# KiCad board chicker.kicad_pcb (continued)
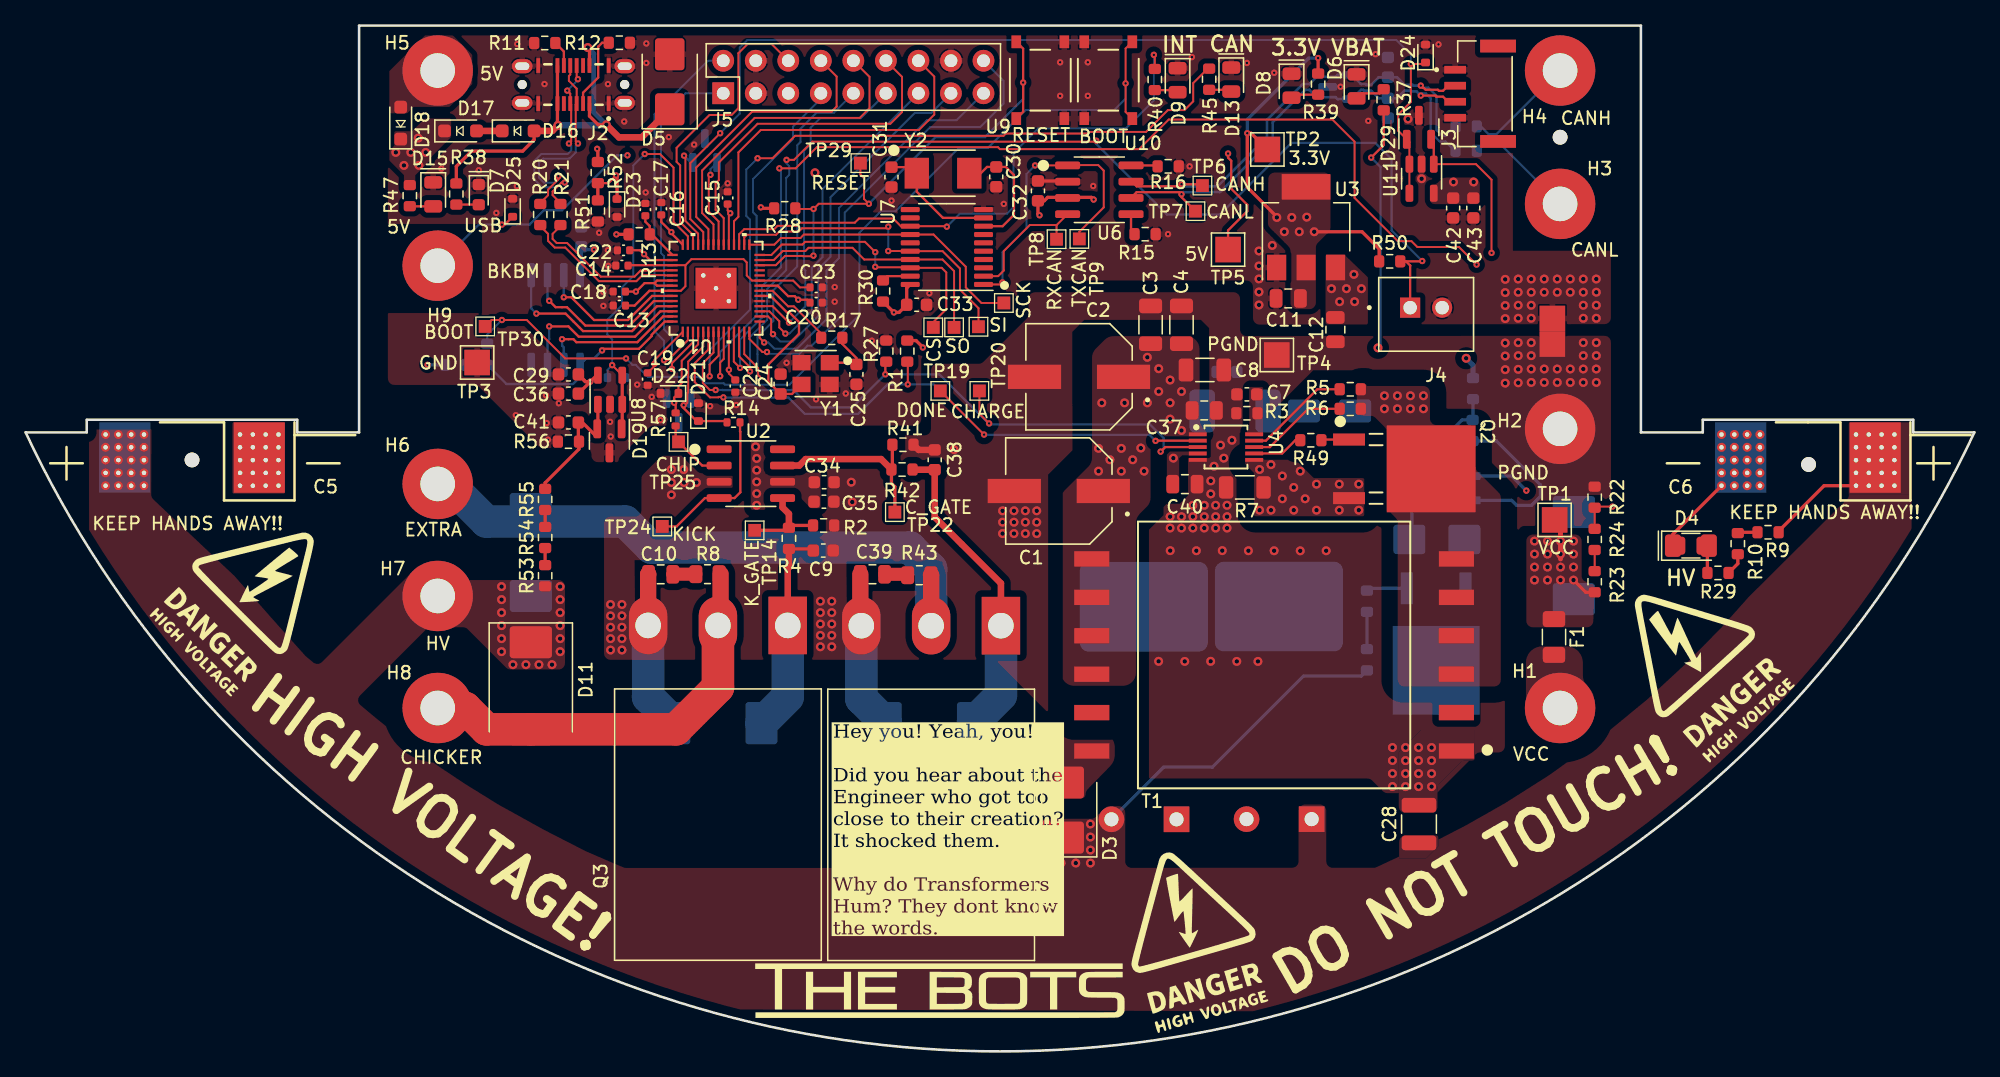
[diagram p0: board, top side]
## Library data of the parts (continued)
R37 = -: JLC: 0603; JLC Extended: no; LCSC: C25819; MPN: 0603WAF4702T5E; Manufacturer: UNI-ROYAL(Uniroyal Elec); Price: 0.001; ki_fp_filters: R_*
R38 = -: JLC: 0603; LCSC: C23253; MPN: 0603WAF8200T5E; Manufacturer: UNI-ROYAL(Uniroyal Elec); Price: 0.0009; ki_fp_filters: R_*
R40 R45 = -: JLC: 0603; JLC Extended: no; LCSC: C23193; MPN: 0603WAF5100T5E; Manufacturer: UNI-ROYAL(Uniroyal Elec); Price: 0.0009; ki_fp_filters: R_*
R44 R48 = -: MPN: PWR220T-35-2001J; Manufacturer: Bourns; Price: 4.067; ki_fp_filters: R_*
R46 = -: JLC: 2512; MPN: 3522820RJT; Manufacturer: TE; Price: 0.83; ki_fp_filters: R_*
R47 = -: JLC: 0603; JLC Extended: no; LCSC: C22975; MPN: 0603WAF2001T5E; Manufacturer: UNI-ROYAL(Uniroyal Elec); Price: 0.0009; ki_fp_filters: R_*
R51 = -: JLC: 0603; JLC Extended: no; LCSC: C23196; MPN: 0603WAF5102T5E; Manufacturer: UNI-ROYAL(Uniroyal Elec); Price: 0.0009; ki_fp_filters: R_*
R52 = -: JLC: 0603; JLC Extended: no; LCSC: C22984; MPN: 0603WAF3002T5E; Manufacturer: UNI-ROYAL(Uniroyal Elec); Price: 0.0009; ki_fp_filters: R_*
R53-R55 = -: JLC: 0603; JLC Extended: no; LCSC: C23137; MPN: 0603WAF3303T5E; Manufacturer: UNI-ROYAL(Uniroyal Elec); Price: 0.0009; ki_fp_filters: R_*
R56 = -: JLC: 0603; JLC Extended: no; LCSC: C22797; MPN: 0603WAF1302T5E; Manufacturer: UNI-ROYAL(Uniroyal Elec); Price: 0.0008; ki_fp_filters: R_*
T1 = -: MPN: DA2034-ALD; Manufacturer: Coilcraft; Price: 13.35
TP1-TP14 TP19 TP20 TP22 TP24 TP25 TP29 TP30 = -: ki_fp_filters: Pin* Test*
U1 = -: JLC: LQFN-56(7x7); JLC Extended: yes; LCSC: C2040; MPN: RP2040; Manufacturer: Raspberry Pi; Price: 0.9997; ki_fp_filters: QFN56_7X7_RPI QFN56_7X7_RPI-M QFN56_7X7_RPI-L
U2 = -: JLC: SOIC-8; LCSC: C20611883; MPN: RS8802HXK; Manufacturer: Jiangsu RUNIC Tech; Price: 0.36; JLC Extended: yes; ki_fp_filters: SOIC8_SN_MCH SOIC8_SN_MCH-M SOIC8_SN_MCH-L
U3 = -: JLC: SOT-223; JLC Extended: no; LCSC: C6186; Manufacturer: Advanced Monolithic Systems; Price: 0.179; ki_fp_filters: DPAK-3_ONS DPAK-3_ONS-M DPAK-3_ONS-L
U4 = -: Datasheet: https://www.analog.com/media/en/technical-documentation/data-sheets/3757Afe.pdf; JLC: MSOP-10; LCSC: C84289; MPN: LT3750EMS#PBF; Manufacturer: Analog Devices; Price: 15.73; JLC Extended: yes; ki_fp_filters: DFN*EP*3x3mm*P0.5mm*
U5 = -: Datasheet: http://www.winbond.com/resource-files/w25q128jv_dtr%20revc%2003272018%20plus.pdf; Description: FLASH - NOR Memory IC 16Mbit SPI - Quad I/O 133 MHz 8-SOIC; Manufacturer: Winbond Elec; Price: 0.65; JLC: SOIC-8-208mil; LCSC: C97521; JLC Extended: no; ki_fp_filters: SOIC*5.23x5.23mm*P1.27mm*
U6 = -: Datasheet: http://ww1.microchip.com/downloads/en/devicedoc/21667d.pdf; Description: High-Speed CAN Transceiver, 1Mbps, 3.3V supply, SOIC-8; JLC: 8-SOIC; LCSC: C61643; Manufacturer: Microchip; Price: 2.12; ki_fp_filters: SOIC*3.9x4.9mm*P1.27mm*
U7 = -: Datasheet: http://ww1.microchip.com/downloads/en/DeviceDoc/21801e.pdf; JLC: TSSOP-20; LCSC: C185941; MPN: MCP2515T-I/ST; Manufacturer: Microchip; Price: 1.2541; ki_fp_filters: TSSOP*4.4x6.5mm*P0.65mm*
U8 U11 = -: Description: Alt: 1MHz 15nA Op Amp; MPN: LMV321IDBVR; Manufacturer: Texas Instruments; Price: 0.0955; JLC: SOT-23-5; LCSC: C7972; JLC Extended: no; ki_fp_filters: SOIC8_SN_MCH SOIC8_SN_MCH-M SOIC8_SN_MCH-L
U9 U10 = -: MPN: TS-1187A-B-A-B; Manufacturer: XKB Connection; Price: 0.0189; JLC: SMD; LCSC: C318884; JLC Extended: no; ki_fp_filters: SW_PTS647SM38SMTR2LFS_CNK
Y1 = -: MPN: X322512MSB4SI; Manufacturer: YXC Crystal Oscillators; Price: 0.0657; JLC: SMD3225-4P; LCSC: C9002; JLC Extended: no
Y2 = -: JLC: SMD5032; JLC Extended: no; LCSC: C115962; MPN: X50328MSB2GI; Manufacturer: YXC Crystal Oscillators; Price: 0.20

## Footprints (pads in the part's own frame, mm; a bottom-side part is the same pattern mirrored in y, then rotated)
ABM3
  rect 1.9x2.4 smd: 1(-2.05,0) 2(2.05,0)
C_0402_1005Metric
  rrect 0.56x0.62 smd: 1(-0.48,0) 2(0.48,0)
C_0603_1608Metric
  rrect 0.9x0.95 smd: 1(-0.775,0) 2(0.775,0)
C_0805_2012Metric
  rrect 1x1.45 smd: 1(-0.95,0) 2(0.95,0)
C_1206_3216Metric
  rrect 1.15x1.8 smd: 1(-1.475,0) 2(1.475,0)
C_1210_3225Metric
  rrect 1.15x2.7 smd: 1(-1.475,0) 2(1.475,0)
CAP_25SVPF100M
  rect 4.15x1.9 smd: 1(-3.475,0) 2(3.475,0)
CP_Radial_Horizontal_D25.4mm_H45mm
  round 0.7 hole 0.35: 1(-6.75,-1.15) 1(-6.75,-2.15) 1(-6.75,-3.15) 1(-6.75,-4.15) 1(-6.75,-5.15) 1(-5.75,-1.15) 1(-5.75,-2.15) 1(-5.75,-3.15) 1(-5.75,-4.15) 1(-5.75,-5.15) 1(-4.75,-1.15) 1(-4.75,-2.15) 1(-4.75,-3.15) 1(-4.75,-4.15) 1(-4.75,-5.15) 1(-3.75,-1.15) 1(-3.75,-2.15) 1(-3.75,-3.15) 1(-3.75,-4.15) 1(-3.75,-5.15) 2(3.75,-1.15) 2(3.75,-2.15) 2(3.75,-3.15) 2(3.75,-4.15) 2(3.75,-5.15) 2(4.75,-1.15) 2(4.75,-2.15) 2(4.75,-3.15) 2(4.75,-4.15) 2(4.75,-5.15) 2(5.75,-1.15) 2(5.75,-2.15) 2(5.75,-3.15) 2(5.75,-4.15) 2(5.75,-5.15) 2(6.75,-1.15) 2(6.75,-2.15) 2(6.75,-3.15) 2(6.75,-4.15) 2(6.75,-5.15)
  rect 4x5.5 smd far side: 1(-5.25,-2.95)
  rect 4x5.5 smd: 2(5.25,-2.95)
CP_Radial_Horizontal_D25.4mm_H45mm_reversed
  round 0.7 hole 0.35: 1(3.75,-1.15) 1(3.75,-2.15) 1(3.75,-3.15) 1(3.75,-4.15) 1(3.75,-5.15) 1(4.75,-1.15) 1(4.75,-2.15) 1(4.75,-3.15) 1(4.75,-4.15) 1(4.75,-5.15) 1(5.75,-1.15) 1(5.75,-2.15) 1(5.75,-3.15) 1(5.75,-4.15) 1(5.75,-5.15) 1(6.75,-1.15) 1(6.75,-2.15) 1(6.75,-3.15) 1(6.75,-4.15) 1(6.75,-5.15) 2(-6.75,-1.15) 2(-6.75,-2.15) 2(-6.75,-3.15) 2(-6.75,-4.15) 2(-6.75,-5.15) 2(-5.75,-1.15) 2(-5.75,-2.15) 2(-5.75,-3.15) 2(-5.75,-4.15) 2(-5.75,-5.15) 2(-4.75,-1.15) 2(-4.75,-2.15) 2(-4.75,-3.15) 2(-4.75,-4.15) 2(-4.75,-5.15) 2(-3.75,-1.15) 2(-3.75,-2.15) 2(-3.75,-3.15) 2(-3.75,-4.15) 2(-3.75,-5.15)
  rect 4x5.5 smd: 1(5.25,-2.95)
  rect 4x5.5 smd far side: 2(-5.25,-2.95)
D_SMA
  rrect 2.5x1.8 smd: 1(-2,0) 2(2,0)
D_SMB
  rrect 2.5x2.3 smd: 1(-2.15,0) 2(2.15,0)
D_SMC
  rrect 2.5x3.3 smd: 1(-3.4,0) 2(3.4,0)
D_SOD-323_HandSoldering
  rrect 1x1 smd: 1(-1.25,0) 2(1.25,0)
D_SOD-523
  rrect 0.6x0.7 smd: 1(-0.7,0) 2(0.7,0)
DA2034-ALD_COC
  rect 2.743x1.2 smd: 1(-14.234,7.5) 2(-14.234,4.5) 3(-14.234,1.5) 4(-14.234,-1.5) 5(-14.234,-4.5) 6(-14.234,-7.5) 7(14.234,-7.5) 8(14.234,-4.5) 9(14.234,-1.5) 10(14.234,1.5) 11(14.234,4.5) 12(14.234,7.5)
DPAK-3_ONS
  rect 0.94x2.489 smd: 1(-2.29,-6.413) 3(2.29,-6.413)
  rect 6.782x6.934 smd: 2(0,0)
Fuse_1206_3216Metric
  rrect 1.25x1.75 smd: 1(-1.4,0) 2(1.4,0)
GCT_USB4145-03-0170-C_REVA2
  round 0.71 hole 0.71 unplated: (-4,0) (4,0)
  rect 0.3x1.15 smd: A1(-2.75,1.485) A4(-1.25,1.485) A5(-0.75,1.485) A6(-0.25,1.485) A7(0.25,1.485) A8(0.75,1.485) A9(1.25,1.485) A12(2.75,1.485) B1(2.75,-1.485) B4(1.25,-1.485) B5(0.75,-1.485) B6(0.25,-1.485) B7(-0.25,-1.485) B8(-0.75,-1.485) B9(-1.25,-1.485) B12(-2.75,-1.485)
  oval 1.6x1.1 hole 1.1x0.6: S1(-4,1.43) S2(4,1.43) S3(-4,-1.43) S4(4,-1.43)
JST_B2B-XH-A_LF__SN_
  rect 1.575x1.575 hole 1.05: 1(1.25,-0.525)
  round 1.575 hole 1.05: 2(-1.25,-0.525)
JST_BM04B-GHS-TBT
  rect 0.6x1.7 smd: 1(1.875,3.35) 2(0.625,3.35) 3(-0.625,3.35) 4(-1.875,3.35)
  rect 1x2.8 smd: S1(-3.725,0) S2(3.725,0)
LED_0603_1608Metric
  rrect 0.875x0.95 smd: 1(-0.787,0) 2(0.787,0)
LED_0805_2012Metric
  rrect 0.975x1.4 smd: 1(-0.938,0) 2(0.938,0)
LED_1206MERGE0805
  rrect 1.25x1.75 smd: 1(-1.4,0) 2(1.4,0)
  rrect 0.975x1.4 smd: 1(-0.925,0) 2(0.925,0)
MountingHole_2.7mm_M2.5_DIN965_Pad
  round 5.5 hole 2.7: 1(0,0)
MSOP-10_3x3mm_P0.5mm
  rect 1.4x0.3 smd: 1(-2.2,1) 2(-2.2,0.5) 3(-2.2,0) 4(-2.2,-0.5) 5(-2.2,-1) 6(2.2,-1) 7(2.2,-0.5) 8(2.2,0) 9(2.2,0.5) 10(2.2,1)
NetTie-2_SMD_Pad2.0mm
  rect 2x2 smd: 1(-1,0) 2(1,0)
PinHeader_2x09_P2.54mm_Vertical
  rect 1.7x1.7 hole 1: 1(0,0)
  oval 1.7x1.7 hole 1: 2(0,-2.54) 3(0,-5.08) 4(0,-7.62) 5(0,-10.16) 6(0,-12.7) 7(0,-15.24) 8(0,-17.78) 9(0,-20.32) 10(2.54,-20.32) 11(2.54,-17.78) 12(2.54,-15.24) 13(2.54,-12.7) 14(2.54,-10.16) 15(2.54,-7.62) 16(2.54,-5.08) 17(2.54,-2.54) 18(2.54,0)
QFN56_7X7_RPI
  rect 0.813x0.178 smd: 1(-3.404,2.6) 2(-3.404,2.2) 3(-3.404,1.8) 4(-3.404,1.4) 5(-3.404,1) 6(-3.404,0.6) 7(-3.404,0.2) 8(-3.404,-0.2) 9(-3.404,-0.6) 10(-3.404,-1) 11(-3.404,-1.4) 12(-3.404,-1.8) 13(-3.404,-2.2) 14(-3.404,-2.6) 29(3.404,-2.6) 30(3.404,-2.2) 31(3.404,-1.8) 32(3.404,-1.4) 33(3.404,-1) 34(3.404,-0.6) 35(3.404,-0.2) 36(3.404,0.2) 37(3.404,0.6) 38(3.404,1) 39(3.404,1.4) 40(3.404,1.8) 41(3.404,2.2) 42(3.404,2.6)
  rect 0.178x0.813 smd: 15(-2.6,-3.404) 16(-2.2,-3.404) 17(-1.8,-3.404) 18(-1.4,-3.404) 19(-1,-3.404) 20(-0.6,-3.404) 21(-0.2,-3.404) 22(0.2,-3.404) 23(0.6,-3.404) 24(1,-3.404) 25(1.4,-3.404) 26(1.8,-3.404) 27(2.2,-3.404) 28(2.6,-3.404) 43(2.6,3.404) 44(2.2,3.404) 45(1.8,3.404) 46(1.4,3.404) 47(1,3.404) 48(0.6,3.404) 49(0.2,3.404) 50(-0.2,3.404) 51(-0.6,3.404) 52(-1,3.404) 53(-1.4,3.404) 54(-1.8,3.404) 55(-2.2,3.404) 56(-2.6,3.404)
  round 0.7 hole 0.35: 57(-1,1) 57(-1,-1) 57(0,0) 57(1,1) 57(1,-1)
  rect 3.2x3.2 smd: 57(0,0)
R_0402_1005Metric
  rrect 0.54x0.64 smd: 1(-0.51,0) 2(0.51,0)
R_0603_1608Metric
  rrect 0.8x0.95 smd: 1(-0.825,0) 2(0.825,0)
R_0805_2012Metric
  rrect 1.025x1.4 smd: 1(-0.912,0) 2(0.912,0)
R_1206_3216Metric
  rrect 1.125x1.75 smd: 1(-1.462,0) 2(1.462,0)
R_2512_6332Metric
  rrect 2x3.35 smd: 1(-2.575,0) 2(2.575,0)
SMD3225-4P
  rect 1.4x1.2 smd: 1(-1.1,-0.85) 2(1.1,-0.85) 3(1.1,0.85) 4(-1.1,0.85)
SOIC-8_3.9x4.9mm_P1.27mm
  rrect 1.95x0.6 smd: 1(-2.475,1.905) 2(-2.475,0.635) 3(-2.475,-0.635) 4(-2.475,-1.905) 5(2.475,-1.905) 6(2.475,-0.635) 7(2.475,0.635) 8(2.475,1.905)
SOIC-8_208mil
  rrect 1.9x0.6 smd: 1(-3.5,1.905) 2(-3.5,0.635) 3(-3.5,-0.635) 4(-3.5,-1.905) 5(3.5,-1.905) 6(3.5,-0.635) 7(3.5,0.635) 8(3.5,1.905)
SOT95P240X111-3N
  rrect 1.23x0.6 smd: 1(-1.06,0.95) 2(-1.06,-0.95) 3(1.06,0)
SOT-23
  rrect 1.475x0.6 smd: 1(-0.938,0.95) 2(-0.938,-0.95) 3(0.938,0)
SOT-23-5
  rrect 1.325x0.6 smd: 1(-1.137,0.95) 2(-1.137,0) 3(-1.137,-0.95) 4(1.137,-0.95) 5(1.137,0.95)
SOT-223-3_TabPin2
  rect 2x1.5 smd: 1(-3.15,2.3) 2(-3.15,0) 3(-3.15,-2.3)
  rect 2x3.8 smd: 2(3.15,0)
SW_TS-1187A-B-A-B
  rect 1x0.75 smd: 1(-3,1.875) 2(3,1.875) 3(-3,-1.875) 4(3,-1.875)
TestPoint_Pad_1.0x1.0mm
  rect 1x1 smd: 1(0,0)
TestPoint_Pad_2.0x2.0mm
  rect 2x2 smd: 1(0,0)
TO-220-2_Horizontal_TabDown
  rect 2x2 hole 1.1: 1(0,0)
  oval 2x2 hole 1.1: 2(5.08,0)
  rrect 10x7 smd: 3(2.55,16.6)
TO-247-3_Horizontal_TabDown
  rect 3x4.5 hole 2: 1(0,0)
  oval 3x4.5 hole 2: 2(5.45,0) 3(10.9,0)
ToolingHoleJLC
  round 1.3 hole 1.152 unplated: (0,0)
TSSOP-20_4.4x6.5mm_P0.65mm
  rrect 1.475x0.4 smd: 1(-2.862,2.925) 2(-2.862,2.275) 3(-2.862,1.625) 4(-2.862,0.975) 5(-2.862,0.325) 6(-2.862,-0.325) 7(-2.862,-0.975) 8(-2.862,-1.625) 9(-2.862,-2.275) 10(-2.862,-2.925) 11(2.862,-2.925) 12(2.862,-2.275) 13(2.862,-1.625) 14(2.862,-0.975) 15(2.862,-0.325) 16(2.862,0.325) 17(2.862,0.975) 18(2.862,1.625) 19(2.862,2.275) 20(2.862,2.925)

## Nets
5V_USB: D5.1 D16.2 J2.A4 J2.A9 J2.B4 J2.B9 R38.1
+3.3V: C11.1 C15.1 C16.1 C18.1 C19.1 C20.1 C21.1 C22.1 C26.1 C29.1 C32.1 C33.1 C36.1 C42.1 C43.1 J5.3 R1.2 R13.2 R19.2 R28.1 R30.1 R39.1 R50.1 TP2.1 U1.1 U1.10 U1.22 U1.33 U1.42 U1.44 U1.48 U1.49 U3.2 U5.8 U6.3 U7.20 U8.5 U11.5
+5V: C12.1 D17.1 D18.1 R47.1 R52.1 TP5.1 U3.3
/PowerPillars/3V3_DIO: D8.2 R39.2
/PowerPillars/4.8V_USB: D16.1 D17.2
/PowerPillars/5V_DIO: D15.2 R47.2
/PowerPillars/5V_IN: D18.2 H5.1
/PowerPillars/VCC_DIO: D6.2 R37.2
/PowerPillars/VCC_FUSE: F1.2 H1.1
/RP2040/5V_LEVEL: D23.1 D27.2 R51.1 R52.2 U1.39
/RP2040/+1.1V: C13.1 C14.1 C23.1 U1.23 U1.45 U1.50
/RP2040/AGND_ref: C17.1 R13.1 U1.43
GND: C11.2 C13.2 C14.2 C15.2 C16.2 C17.2 C18.2 C19.2 C20.2 C21.2 C22.2 C23.2 C24.1 C25.1 C26.2 C29.2 C30.2 C31.2 C32.2 C33.2 C36.2 C41.2 C42.2 C43.2 C44.2 C45.1 D5.2 D6.1 D7.1 D8.1 D9.1 D13.1 D15.1 D19.3 D20.2 D21.2 D22.2 D23.2 D24.2 D25.2 D26.3 D27.3 D28.3 D29.3 J2.A1 J2.A12 J2.B1 J2.B12 J2.S1 J2.S2 J2.S3 J2.S4 J3.1 J3.4 J4.2 J5.2 J5.11 J5.17 NT1.2 R11.2 R12.2 R15.2 R16.2 R27.2 R51.2 R56.2 TP3.1 U1.19 U1.57 U3.1 U5.4 U6.2 U7.10 U8.2 U9.3 U9.4 U10.3 U10.4 U11.2 Y1.2 Y1.4
GNDPWR: C1.2 C2.2 C3.2 C4.2 C5.2 C6.2 C7.2 C8.2 C9.2 C10.2 C12.2 C28.2 C34.2 C35.2 C37.2 C38.2 C39.2 C40.2 D1.2 D4.1 D10.2 D12.2 D30.2 H2.1 NT1.1 Q3.3 Q6.3 Q7.3 Q8.2 R2.2 R3.1 R7.1 R22.2 R32.2 R41.2 R44.3 R48.3 T1.1 TP4.1 U2.3 U4.5
VCC: C1.1 C2.1 C3.1 C4.1 C8.1 C27.1 C34.1 C35.1 C37.1 C40.1 D30.1 F1.1 R23.1 R31.1 R37.1 R46.1 T1.7 T1.8 T1.9 T1.10 TP1.1 U2.6 U4.1 U4.4
/Autodischarge/AD_35W: Q6.2 R44.1 R48.2
/Autodischarge/AD_G: D12.1 Q5.3 Q6.1 R33.2
/Autodischarge/AD_LV_G: Q5.1 R31.2 R32.1
/Autodischarge/AD_R: R33.1 R34.2
/Autodischarge/~DISCHARGE: Q8.1 U1.11
/CAN/CAN+: C45.2 D26.1 J3.2 R26.2 TP6.1 U6.7
/CAN/CAN-: C44.1 D26.2 J3.3 R25.2 TP7.1 U6.6
/CAN/INT: R40.1 U1.31 U7.13
/CAN/LBK: R15.1 U6.5
/CAN/OSC1: C31.1 U7.9 Y2.1
/CAN/OSC2: C30.1 U7.8 Y2.2
/CAN/Rs: R16.1 U6.8
/CAN/RXCAN: TP8.1 U6.4 U7.2
/CAN/SPI0_CS: TP12.1 U1.28 U7.18
/CAN/SPI0_RX: TP11.1 U1.27 U7.17
/CAN/SPI0_SCK: TP13.1 U1.29 U7.14
/CAN/SPI0_TX: TP10.1 U1.30 U7.16
/CAN/TXCAN: TP9.1 U6.1 U7.1
/Flyback_HV/CHARGE: R27.1 TP20.1 U1.7 U4.3
/Flyback_HV/CHIP_0R: R57.2 TP25.1 U2.2
/Flyback_HV/CHIP_GATE: R41.1 R42.1 TP22.1 U2.7
/Flyback_HV/CHIP_HV: D2.2 H6.1 Q7.2 R43.1
/Flyback_HV/DONE: R1.1 TP19.1 U1.6 U4.2
/Flyback_HV/HV_DIO: D3.2 T1.12
/Flyback_HV/IGBTGATE_CHIP: C38.1 D10.1 Q7.1 R42.2
/Flyback_HV/IGBTGATE_KICK: C9.1 D1.1 Q3.1 R4.2
/Flyback_HV/KICK_0R: R14.2 TP24.1 U2.4
/Flyback_HV/KICK_GATE: R2.1 R4.1 TP14.1 U2.5
/Flyback_HV/KICK_HV: D11.2 H8.1 Q3.2 R8.1
/Flyback_HV/Q2D: D14.2 Q2.2 R5.2 R6.2 T1.3 T1.4 T1.5 T1.6
/Flyback_HV/RBG: C7.1 R3.2 U4.10
/Flyback_HV/RCD: C27.2 D14.1 R46.2
/Flyback_HV/RDCM: R6.1 U4.8
/Flyback_HV/RVOUT: R5.1 U4.9
/Flyback_HV/SNUB: C39.1 R43.2
/Flyback_HV/SNUB2: C10.1 R8.2
/Flyback_HV/VSOURCE: Q2.3 R7.2 U4.6
/High Voltage Feedback/HV_FDBK1: R53.2 R54.1
/High Voltage Feedback/HV_FDBK2: R54.2 R55.1
/High Voltage Feedback/HV_RAW: C41.1 D19.2 R55.2 R56.1 U8.1
/High Voltage Feedback/HV_SENSE: D19.1 D20.1 U1.41 U8.3 U8.4
/PowerPillars/BATT_RAW: D29.2 R22.1 R24.2 U11.1
/PowerPillars/CANR+: H4.1 R26.1
/PowerPillars/CANR-: H3.1 R25.1
/PowerPillars/USB_DIO: D7.2 R38.2
/RP2040/BATT_LEVEL: D24.1 D29.1 U1.38 U11.3 U11.4
/RP2040/BKBM: D25.1 D27.1 H9.1 U1.35
/RP2040/BOOT: R18.1 TP30.1 U10.1 U10.2
/RP2040/CAN_LED: R45.2 U1.8
/RP2040/CC1: J2.A5 R12.1
/RP2040/CC2: J2.B5 R11.1
/RP2040/CHIP: D22.1 D28.1 R57.1 U1.4
/RP2040/D+: J2.A6 J2.B6 R20.2
/RP2040/D-: J2.A7 J2.B7 R21.2
/RP2040/DR+: R20.1 U1.47
/RP2040/DR-: R21.1 U1.46
/RP2040/GPIO7: J5.4 U1.9
/RP2040/GPIO10: J5.5 U1.13
/RP2040/GPIO11: J5.10 U1.14
/RP2040/GPIO12: J5.9 U1.15
/RP2040/GPIO13: J5.8 U1.16
/RP2040/GPIO14: J5.7 U1.17
/RP2040/GPIO15: J5.6 U1.18
/RP2040/GPIO21: J5.12 U1.32
/RP2040/GPIO22: J5.13 U1.34
/RP2040/GPIO24: J5.14 U1.36
/RP2040/GPIO25: J5.15 U1.37
/RP2040/GPIO28_ADC2: J5.16 U1.40
/RP2040/KICK: D21.1 D28.2 R14.1 U1.5
/RP2040/QSPI_SCLK: U1.52 U5.6
/RP2040/QSPI_SD0: U1.53 U5.5
/RP2040/QSPI_SD1: U1.55 U5.2
/RP2040/QSPI_SD2: U1.54 U5.3
/RP2040/QSPI_SD3: U1.51 U5.7
/RP2040/QSPI_SS: R18.2 R19.1 U1.56 U5.1
/RP2040/RUN: R28.2 TP29.1 U1.26 U9.1 U9.2
/RP2040/RX: J5.18 U1.2
/RP2040/SHELL_OFF: J4.1 R50.2 U1.12
/RP2040/SWCLK: U1.24
/RP2040/SWDIO: U1.25
/RP2040/TX: J5.1 U1.3
/RP2040/XIN: C24.2 U1.20 Y1.3
/RP2040/XOUT: R17.2 U1.21
/RP2040/XOUT_R: C25.2 R17.1 Y1.1
HV: C5.1 C6.1 C28.1 D2.1 D3.1 D11.1 H7.1 R9.2 R34.1 R44.2 R48.1 R53.1
Net-(D4-A): D4.2 R29.1
Net-(D9-A): D9.2 R40.2
Net-(D13-A): D13.2 R45.1
Net-(Q2-G): Q2.1 R49.2
Net-(Q5-Pad2): Q5.2 Q8.3
Net-(R10-Pad1): R10.1 R29.2
Net-(R10-Pad2): R9.1 R10.2
Net-(R23-Pad2): R23.2 R24.1
Net-(U4-GATE): R49.1 U4.7
Net-(U7-~{RESET}): R30.2 U7.19

Pads without a net: J2 A8 B8; J3 S1 S2; T1 2 11; U2 1 8; U7 3 4 5 6 7 11 12 15

## Via types
v1: diameter 0.5, hole 0.2, Top to Bottom, 146 vias
v2: diameter 0.7, hole 0.35, Top to Bottom, 269 vias

## Routing (per net, layer and track width the routed paths; a pad name or vN(x,y) marks a point on that pad's centre or on a via; arc(x,y) is an arc through that point)
5V_USB: length 36.4
  Top w0.254: D16.2 39.7,71.2 38.81,70.31 34.82,70.31 33.63,69.12 R38.1 ; J2.B9 44.02,78.26 v2(43.89,78.4) ; J2.B4 J2.A9 41.52,72.36 v2(41.56,72.32) ; J2.A4 44.02,73.05 44.7,72.37 v2(45.34,72.37)
  Top w0.508: D5.1 48.1,71.38 46.32,71.38 v2(45.34,72.37) ; D16.2 41.12,71.88 v2(41.56,72.32)
  Bottom w0.381: v2(45.34,72.37) 44.35,73.35 44.35,77.93 v2(43.89,78.4)
  Bottom w0.508: v2(45.34,72.37) 45.29,72.32 v2(41.56,72.32)
+3.3V: length 82.5
  Top w0.152: C15.1 54.81,65.66 v1(55.01,65.46) 54.91,65.35 U1.33 ; C19.1 49.1,53.52 v1(49.1,53.7) 49.1,53.99 U1.1 ; U1.10 v1(54.91,53.23) 54.91,52.94 C21.1
  Top w0.178: 49.1,60 49.3,60.2 U1.48 ; 49.1,60 48.33,60 47.67,59.34 v1(47.65,59.34) C18.1 ; 49.1,60 49.29,59.8 U1.49 ; C22.1 47.98,62.56 v1(48.28,62.26) 48.74,61.8 U1.44 ; 49.63,65.03 49.63,64.77 v1(50.42,63.98) 50.42,63.89 U1.42 ; U1.22 58.72,59.8 59.54,58.98 60.04,58.98 v1(60.32,58.7) 61.01,58.7 C20.1
  Top w0.254: R39.1 v1(100.91,77.57) ; R30.1 67.79,57.71 v1(67.79,57.71) 68.19,57.71 C33.1 68.79,59.62 U7.20 ; v1(70.05,54.97) 70.05,54.98 69.52,55.51 R1.2 ; TP2.1 95.68,71.71 v1(95.38,71.71) 95.38,67.48 97.69,65.18 v2(97.69,65.13) ; v1(79.16,65.3) 79.04,65.42 C32.1 79.53,66.43 79.8,66.69 83.22,66.69 v1(83.39,66.52) ; U8.5 44.59,52.81 v1(44.09,52.31) ; v1(44.09,52.31) C36.1 ; v1(44.09,52.31) 43.69,52.31 43.61,52.39 43.61,52.41 C29.1 ; R13.2 v1(46.12,63.81) ; R28.1 57.48,65.84 v1(57.4,65.92) ; R50.1 105.67,62.68 104.34,64.01 v2(100.61,64.01)
  In2.Cu w0.254: J5.3 59.55,72.7 61.63,70.62 v2(61.63,68.62)
  Bottom w0.254: U5.8 43.38,60.71 C26.1 43.6,62.62 v1(44.38,62.62) ; v1(95.38,71.71) 95.38,72.78 100.18,77.57 v1(100.91,77.57) ; R19.2 v1(31.38,53.62)
  vias: v2(98.27,64.01) v2(98.85,65.13) v2(99.44,64.01) v2(100.02,65.15) v2(111.48,67.9) v2(113.05,67.9)
+5V: length 9.8
  Top w0.178: TP5.1 93.88,64.12 95.38,65.62 95.38,66.12 94.13,67.37 94.13,69.55 93.88,69.8 v1(93.88,70.12)
  Top w0.254: v1(44.63,70.49) 44.68,70.44 R52.1
  vias: v2(28.9,70.21) v2(29.54,69.19) v2(30.07,70.21) v2(30.66,71.33) v2(30.71,69.19) v2(31.24,70.21) v2(101.95,59.57) v2(102.59,58.55) v2(103.12,59.57) v2(103.71,60.68) v2(103.76,58.55) v2(104.29,59.57)
/PowerPillars/3V3_DIO: length 2.2
  Top w0.178: R39.2 99.08,74.72 D8.2
/PowerPillars/4.8V_USB: length 2
  Top w0.508: D16.1 D17.2
/PowerPillars/5V_DIO: length 1.8
  Top w0.178: R47.2 30.01,65.99 D15.2
/PowerPillars/VCC_DIO: length 2.4
  Top w0.178: D6.2 104.3,74.82 105.7,74.82 106.03,75.14
/RP2040/5V_LEVEL: length 19.1
  Top w0.152: U1.39 52.51,63.86 51.51,64.86 51.51,69.85 v1(51.41,69.95)
  Top w0.178: R52.2 45.5,67.81 v1(46.1,68.4)
  Top w0.254: R52.2 R51.1 ; v1(46.1,68.4) 46.17,68.33 D23.1
  In1.Cu w0.152: v1(51.41,69.95) 50.47,69.01 46.71,69.01 v1(46.1,68.4)
  Bottom w0.178: v1(51.41,69.95) 51.95,69.41 D27.2
/RP2040/+1.1V: length 22.9
  Top w0.152: C23.1 60.45,59.67 59.92,60.2 U1.23 56.7,60.2 56.3,60.6 56.3,61.61 56.05,61.87 51.98,61.87 51.51,61.4 ; 51.51,61.4 U1.45 ; 51.51,61.4 51.51,59.76 51.16,59.4 U1.50
  Top w0.178: C13.1 47.55,58.24 48.7,59.4 U1.50 ; C14.1 47.07,61.4 U1.45
/RP2040/AGND_ref: length 4
  Top w0.178: C17.1 48.38,64.8 48.73,64.46 R13.1 48.89,63.81 U1.43
GND: length 2.4
  Top w0.254: C32.2 81.37,67.98 81.39,67.96
  vias: v1(32.46,68.94) v1(35.38,68.81) v1(36.75,65.48) v1(38.28,49.68) v1(38.38,78.67) v1(38.35,67.57) v1(40.51,75.54) v1(40.63,51.23) v1(40.68,49.07) v1(40.78,47.77) v1(41.63,50.62) v1(44.78,63.93) v1(45.11,59.31) v1(45.11,58.22) v1(45.46,75.54) v1(45.46,62.56) v1(45.49,61.34) v1(45.63,49.17) v1(45.68,48.02) v1(46.73,72.62) v1(47.75,52.07) v1(48.41,67.08) v1(48.46,78.72) v1(48.46,77.19) v1(48.88,51.12) v1(49.57,49.3) v1(50.21,71.4) v1(52.19,70.82) v1(53.44,50.39) v1(54.81,67.79) v1(55.48,50.48) v1(59.41,53.78) v1(61.71,50.92) v1(63.17,59.69) v1(63.17,58.55) v1(64.03,51.38) v1(66.06,55.5) v1(67.61,66.44) v1(70.56,59.21) v1(76.37,66.19) v1(80.77,77.24) v1(80.77,74.63) v1(82.93,77.24) v1(82.93,74.63) v1(83.35,67.58) v1(89.19,63.82) v1(90.88,69.12) v1(91.06,77.65) v1(95.35,77.19) v1(97.48,76.43) v1(102.66,75.34) v1(104.83,72.67) v1(105.39,77.88) v1(110.31,78.64) v2(96.29,62.51) v2(96.29,61.34) v2(96.29,60.33) v2(96.29,59.31) v2(96.29,58.3) v2(97.33,62.94) v2(107.93,72.82) v2(108.99,68.15) v2(115.52,60.29) v2(115.52,59.26) v2(115.52,58.24) v2(115.52,57.23) v2(116.53,60.32) v2(116.53,59.29) v2(116.53,58.27) v2(116.53,57.25) v2(117.55,60.32) v2(117.55,59.29) v2(117.55,58.27) v2(117.55,57.25) v2(118.56,60.32) v2(118.56,59.29) v2(119.58,60.32) v2(119.58,59.29) v2(120.6,60.32) v2(120.6,59.29) v2(121.61,60.32) v2(121.61,59.29) v2(121.61,58.27) v2(121.61,57.25) v2(122.63,60.32) v2(122.63,59.29) v2(122.63,58.27) v2(122.63,57.25)
GNDPWR: length 46.4
  Top w0.254: C6.2 128.62,40.39 D4.1
  Top w0.508: R41.2 69.73,46.97 C38.2
  Top w1.016: 65.17,33.33 65.25,33.25
  Top w1.27: Q3.3 48.6,37.25 48.61,37.26 ; C39.2 65.17,33.33
  Bottom w0.254: R32.2 114.84,47.67 118.26,44.25 118.26,43.33 117.57,42.65 116.41,42.65 116.02,43.03 Q8.2
  Bottom w2.54: Q3.3 48.6,27.68 D1.2 ; D10.2 65.25,27.54 65.25,33.25
  vias: v2(45.67,34.9) v2(45.67,34.01) v2(45.67,33.12) v2(45.67,32.23) v2(45.67,31.35) v2(46.56,34.9) v2(46.56,34.01) v2(46.56,33.12) v2(46.56,32.23) v2(46.56,31.35) v2(50.42,45.44) v2(50.42,44.43) v2(50.42,43.46) v2(51.38,45.44) v2(51.41,44.43) v2(52.37,44.43) v2(62.05,35.16) v2(62.05,34.27) v2(62.05,33.38) v2(62.05,32.49) v2(62.05,31.6) v2(62.94,35.16) v2(62.94,34.27) v2(62.94,33.38) v2(62.94,32.49) v2(62.94,31.6) v2(64.46,44.45) v2(64.54,42.9) v2(72.48,46.99) v2(76.27,42.22) v2(76.27,41.33) v2(76.27,40.44) v2(77.16,42.22) v2(77.16,41.33) v2(77.16,40.44) v2(78.05,42.22) v2(78.05,41.33) v2(78.05,40.44) v2(78.94,42.22) v2(78.94,41.33) v2(78.94,40.44) v2(88.46,30.46) v2(89.35,41.76) v2(89.35,40.87) v2(89.36,39.11) v2(90.24,41.76) v2(90.24,40.87) v2(90.5,30.46) v2(91.13,42.65) v2(91.13,41.76) v2(91.13,40.87) v2(91.4,39.1) v2(92.02,42.65) v2(92.02,41.76) v2(92.02,40.87) v2(92.52,30.46) v2(92.53,44.55) v2(92.53,43.54) v2(92.78,45.7) v2(92.91,42.65) v2(92.91,41.76) v2(92.91,40.87) v2(93.29,47.35) v2(93.43,39.11) v2(93.55,46.33) v2(93.8,42.65) v2(93.8,41.76) v2(93.8,40.87) v2(94.18,47.73) v2(94.56,30.46) v2(95.47,39.1) v2(96.21,30.46) v2(97.47,39.1) v2(99.51,39.09) v2(101.54,39.1) v2(106.71,23.73) v2(106.71,22.72) v2(106.71,21.7) v2(106.71,20.68) v2(107.74,23.73) v2(107.74,22.71) v2(107.74,21.69) v2(107.74,20.68) v2(108.75,23.73) v2(108.75,22.71) v2(108.75,21.69) v2(108.75,20.68) v2(109.77,23.73) v2(109.77,22.71) v2(109.77,21.69) v2(109.77,20.68) v2(115.52,55.32) v2(115.52,54.31) v2(115.52,53.24) v2(115.52,52.19) v2(116.53,55.35) v2(116.53,54.33) v2(116.53,53.27) v2(116.53,52.22) v2(117.55,55.35) v2(117.55,54.33) v2(117.55,53.29) v2(117.55,52.24) v2(118.56,53.29) v2(118.56,52.24) v2(119.58,53.29) v2(119.58,52.24) v2(120.6,53.29) v2(120.6,52.24) v2(121.61,55.35) v2(121.61,54.33) v2(121.61,53.29) v2(121.61,52.24) v2(122.63,55.35) v2(122.63,54.33) v2(122.63,53.29) v2(122.63,52.24)
VCC: length 26.4
  Top w0.178: v1(105.05,69.8) 106.03,70.78 R37.1
  Top w0.254: v2(120.85,36.81) 121.8,35.85 R23.1
  Top w0.381: 119.83,38.46 119.83,41.05 TP1.1
  Bottom w0.178: v2(105.59,54.94) 105.79,55.15 105.79,69.06 v1(105.05,69.8)
  Bottom w0.381: R31.1 113,53.6 v2(112.47,54.13)
  vias: v2(57,47.22) v2(57.08,46.31) v2(57.08,45.39) v2(57.08,44.48) v2(57.08,43.56) v2(57.08,42.65) v2(83.77,47.09) v2(83.77,45.32) v2(84.02,50.65) v2(84.66,46.2) v2(85.54,47.09) v2(85.54,45.32) v2(85.8,50.65) v2(86.43,46.2) v2(87.07,47.12) v2(87.32,45.32) v2(87.58,54.21) v2(87.58,50.65) v2(88.47,53.32) v2(88.47,51.54) v2(89.35,52.43) v2(89.35,50.65) v2(89.35,49.38) v2(89.61,46.33) v2(90.24,51.54) v2(90.24,48.49) v2(117.8,39.85) v2(117.8,38.84) v2(117.8,37.82) v2(117.8,36.81) v2(118.82,39.85) v2(118.82,38.84) v2(118.82,37.82) v2(118.82,36.81) v2(119.83,39.85) v2(119.83,38.84) v2(119.83,37.82) v2(119.83,36.81) v2(120.85,39.85) v2(120.85,38.84) v2(120.85,37.82)
/Autodischarge/AD_G: length 6.5
  Bottom w0.254: Q5.3 108.23,40.18 D12.1 ; Q6.1 104.91,36.17 R33.2
/Autodischarge/AD_LV_G: length 9.7
  Bottom w0.254: R31.2 113,49.34 R32.1 112.15,49.32 110.46,47.63 108.3,47.63 107.28,46.6 Q5.1
/Autodischarge/AD_R: length 2.9
  Bottom w0.254: R33.1 R34.2
/Autodischarge/~DISCHARGE: length 107.3
  Top w0.152: v1(113.28,61.44) 111.91,62.82 108.66,62.82 108.2,63.27 107.13,63.27 103.76,66.65 103.76,71.05 102.03,72.77 89.25,72.77 86.93,70.46 76.07,70.46 75.91,70.62 61.77,70.62 60.12,68.96 v1(58.85,68.96) ; U1.11 55.29,56.18 55.29,53.87 v1(55.78,53.38)
  In1.Cu w0.152: v1(117.17,43.79) 115.57,45.39 115.57,48.82 113.76,50.62 113.76,60.96 v1(113.28,61.44)
  Bottom w0.152: v1(55.78,53.38) 55.78,55.59 57.48,57.29 57.48,59.74 58.97,61.23 58.97,68.84 v1(58.85,68.96)
  Bottom w0.254: Q8.1 116.03,44.93 v1(117.17,43.79)
/CAN/CAN+: length 39.2
  Top w0.178: 86.34,67.96 86.74,67.56 90.08,67.56 v1(90.24,67.72) 91.78,67.72 TP6.1 ; J3.2 111.06,75.41 110.66,75.02 110.34,75.02 110.26,75.1 109.31,75.1 109.17,75.24 109.11,75.24 v1(108.93,75.42)
  Bottom w0.178: R26.2 111.57,72.24 110.84,71.52 110.59,71.52 110.16,71.95 110.16,74.62 109.52,75.26 109.09,75.26 v1(108.93,75.42) ; v1(90.24,67.72) 90.4,67.56
  Bottom w0.2: v1(108.93,75.42) 108.34,75.42 108.28,75.48 107.67,75.48 107.07,76.08 C45.2 105.65,76.08 105.05,75.48 104.67,75.48 104.61,75.54 104.26,75.54 D26.1 102.43,76.27 102.28,76.11 100.8,76.11 100.23,75.54 99.72,75.54 96.91,72.74 96.91,71.41 93.06,67.55 90.41,67.55 v1(90.24,67.72)
/CAN/CAN-: length 39.3
  Top w0.178: J3.3 111.06,74.16 110.66,74.56 110.15,74.56 110.07,74.64 v1(108.93,74.64) ; 86.34,66.69 86.74,67.1 90.08,67.1 v1(90.24,66.94) 90.24,66.71 TP7.1
  Bottom w0.178: R25.2 111.57,70.33 110.84,71.06 110.41,71.06 109.7,71.76 109.7,74.43 109.33,74.81 109.09,74.81 v1(108.93,74.64) ; v1(90.24,66.94) 90.4,67.1
  Bottom w0.2: v1(90.24,66.94) 90.41,67.1 93.24,67.1 97.36,71.22 97.36,72.55 99.9,75.09 100.23,75.09 100.8,74.52 102.28,74.52 102.43,74.37 D26.2 104.26,75.09 104.44,75.09 104.5,75.03 105.05,75.03 105.65,74.44 C44.1 107.07,74.44 107.67,75.03 108.11,75.03 108.17,74.97 108.6,74.97 v1(108.93,74.64)
/CAN/INT: length 45.2
  Top w0.152: R40.1 88.16,77.75 v1(88.08,77.83) ; v1(71.92,64.41) 71.89,64.44 U7.13 68.33,64.44 67.73,65.04 65.07,65.04 64.74,64.72 60.44,64.72 60.19,64.47 58.7,64.47 58.44,64.21 56.1,64.21 55.71,63.81 U1.31
  Bottom w0.152: v1(88.08,77.83) 88.08,74.27 85.9,72.09 79.07,72.09 77.13,70.15 77.13,65.93 76.62,65.42 72.94,65.42 v1(71.92,64.41)
/CAN/LBK: length 1.7
  Top w0.178: R15.1 86.3,64.1 U6.5
/CAN/OSC1: length 9.7
  Top w0.178: U7.9 71.62,65.09 69.58,67.14 Y2.1 69.11,69.05 C31.1
/CAN/OSC2: length 9.8
  Top w0.178: U7.8 76.28,64.44 77.16,65.33 77.16,68.44 76.53,69.07 C30.1 75.06,69.07 74.58,68.58 Y2.2
/CAN/Rs: length 2.1
  Top w0.178: R16.1 88.31,69.19 U6.8
/CAN/RXCAN: length 10.6
  Top w0.152: TP8.1 80.49,64.53 80.5,64.54 ; 80.5,64.54 81.39,65.42 ; 80.5,64.54 78.4,64.54 76.37,62.5 76.37,60.98 75.93,60.54 U7.2
/CAN/SPI0_CS: length 21.4
  Top w0.152: v1(66.34,62.42) 65.53,63.22 60.86,63.22 60.65,63.01 59.04,63.01 58.22,62.2 U1.28 ; v1(66.34,61.27) 66.37,61.23 69.02,61.23 U7.18 71.52,61.19 71.88,60.84 71.88,57.96 70.86,56.95 TP12.1
  Bottom w0.152: v1(66.34,62.42) v1(66.34,61.27)
/CAN/SPI0_RX: length 20.7
  Top w0.152: TP11.1 72.49,60.94 71.58,61.84 U7.17 65.47,61.84 64.56,62.76 61.13,62.76 60.87,62.5 59.11,62.5 58.41,61.8 U1.27
/CAN/SPI0_SCK: length 23.4
  Top w0.152: U1.29 58.45,63 58.97,63.52 60.49,63.52 60.77,63.79 U7.14 70.89,63.79 73.4,61.28 73.4,59.67 74.62,58.45 TP13.1
/CAN/SPI0_TX: length 25.4
  Top w0.152: v1(67.35,62.5) 69.05,62.5 U7.16 71.59,62.49 72.95,61.14 72.95,59.49 74.39,58.04 TP10.1 ; v1(67.35,64.41) 67.22,64.28 60.62,64.28 60.37,64.03 58.84,64.03 58.59,63.77 56.3,63.77 56.11,63.58 U1.30
  Bottom w0.152: v1(67.35,62.5) v1(67.35,64.41)
/CAN/TXCAN: length 23.4
  Top w0.152: U7.1 76.1,59.89 v1(76.27,60.06) ; v1(78.81,69.19) U6.1 81.38,69.22 83.74,69.22 84.17,68.79 84.17,65.92 82.27,64.01 TP9.1
  Bottom w0.152: v1(76.27,60.06) 76.27,62.4 78.15,64.28 78.15,68.52 v1(78.81,69.19)
/Flyback_HV/CHARGE: length 52.3
  Top w0.152: TP20.1 74.46,49.8 v1(75.23,49.04) ; v1(53.87,51.65) 53.42,51.65 52.87,52.2 52.87,53.74 53.71,54.57 U1.7
  Top w0.178: v1(88.62,46.84) 88.97,47.19 U4.3 ; v1(67.12,52.88) 67.12,53.8 R27.1
  Bottom w0.178: v1(88.62,46.84) 88.85,47.07 88.85,47.91 87.79,48.96 75.25,48.96 71.34,52.88 v1(67.12,52.88) 64.54,50.3 61.3,50.3 59.95,51.65 59.81,51.65 59.81,51.65 54.43,51.65 54.43,51.65 v1(53.87,51.65)
/Flyback_HV/CHIP_0R: length 5.3
  Top w0.178: U2.2 52.82,45.75 TP25.1 50.75,47.83 R57.2
/Flyback_HV/CHIP_GATE: length 14.5
  Top w0.254: TP22.1 67.87,44.1 67.6,44.36 R42.1 67.67,45.51 R41.1
  Top w0.508: R42.1 66.79,46.26 60.91,46.26 60.4,45.75 U2.7
/Flyback_HV/CHIP_HV: length 49.7
  Top w1.27: R43.1 70.7,37.18 Q7.2
  Bottom w2.54: Q7.2 70.7,37.68 69.03,39.35 48.84,39.35 46.81,41.38 35.96,41.38 33.03,44.32 H6.1
/Flyback_HV/DONE: length 54.1
  Top w0.152: v1(68.88,52.09) 68.88,53.82 R1.1 ; TP19.1 74.83,48.17 v1(74.83,48.17) ; U1.6 53.31,54.81 52.24,53.74 52.24,52.27 53.43,51.08 54.09,51.08 54.12,51.11 54.44,51.11 v1(54.48,51.07)
  Top w0.178: U4.2 88.24,47.69 v1(88.22,47.68)
  Bottom w0.152: 74.79,48.2 70.91,52.09 v1(68.88,52.09)
  Bottom w0.178: v1(54.48,51.07) 54.49,51.06 59.56,51.06 60.83,49.79 65,49.79 67.3,52.09 v1(68.88,52.09) ; 74.79,48.2 74.84,48.15 87.75,48.15 v1(88.22,47.68)
